# Altium PCB RF liner.PcbDoc
Units mil, origin at the board's own origin, x right, y up, seen from the top; angles counter-clockwise.
Board outline 2065 x 2000 mil, 4 copper layers (Top Layer, GND, PWR, Bottom Layer), stack 59.374 mil thick; 27 components, 25 nets, 152 pads, 729 vias.
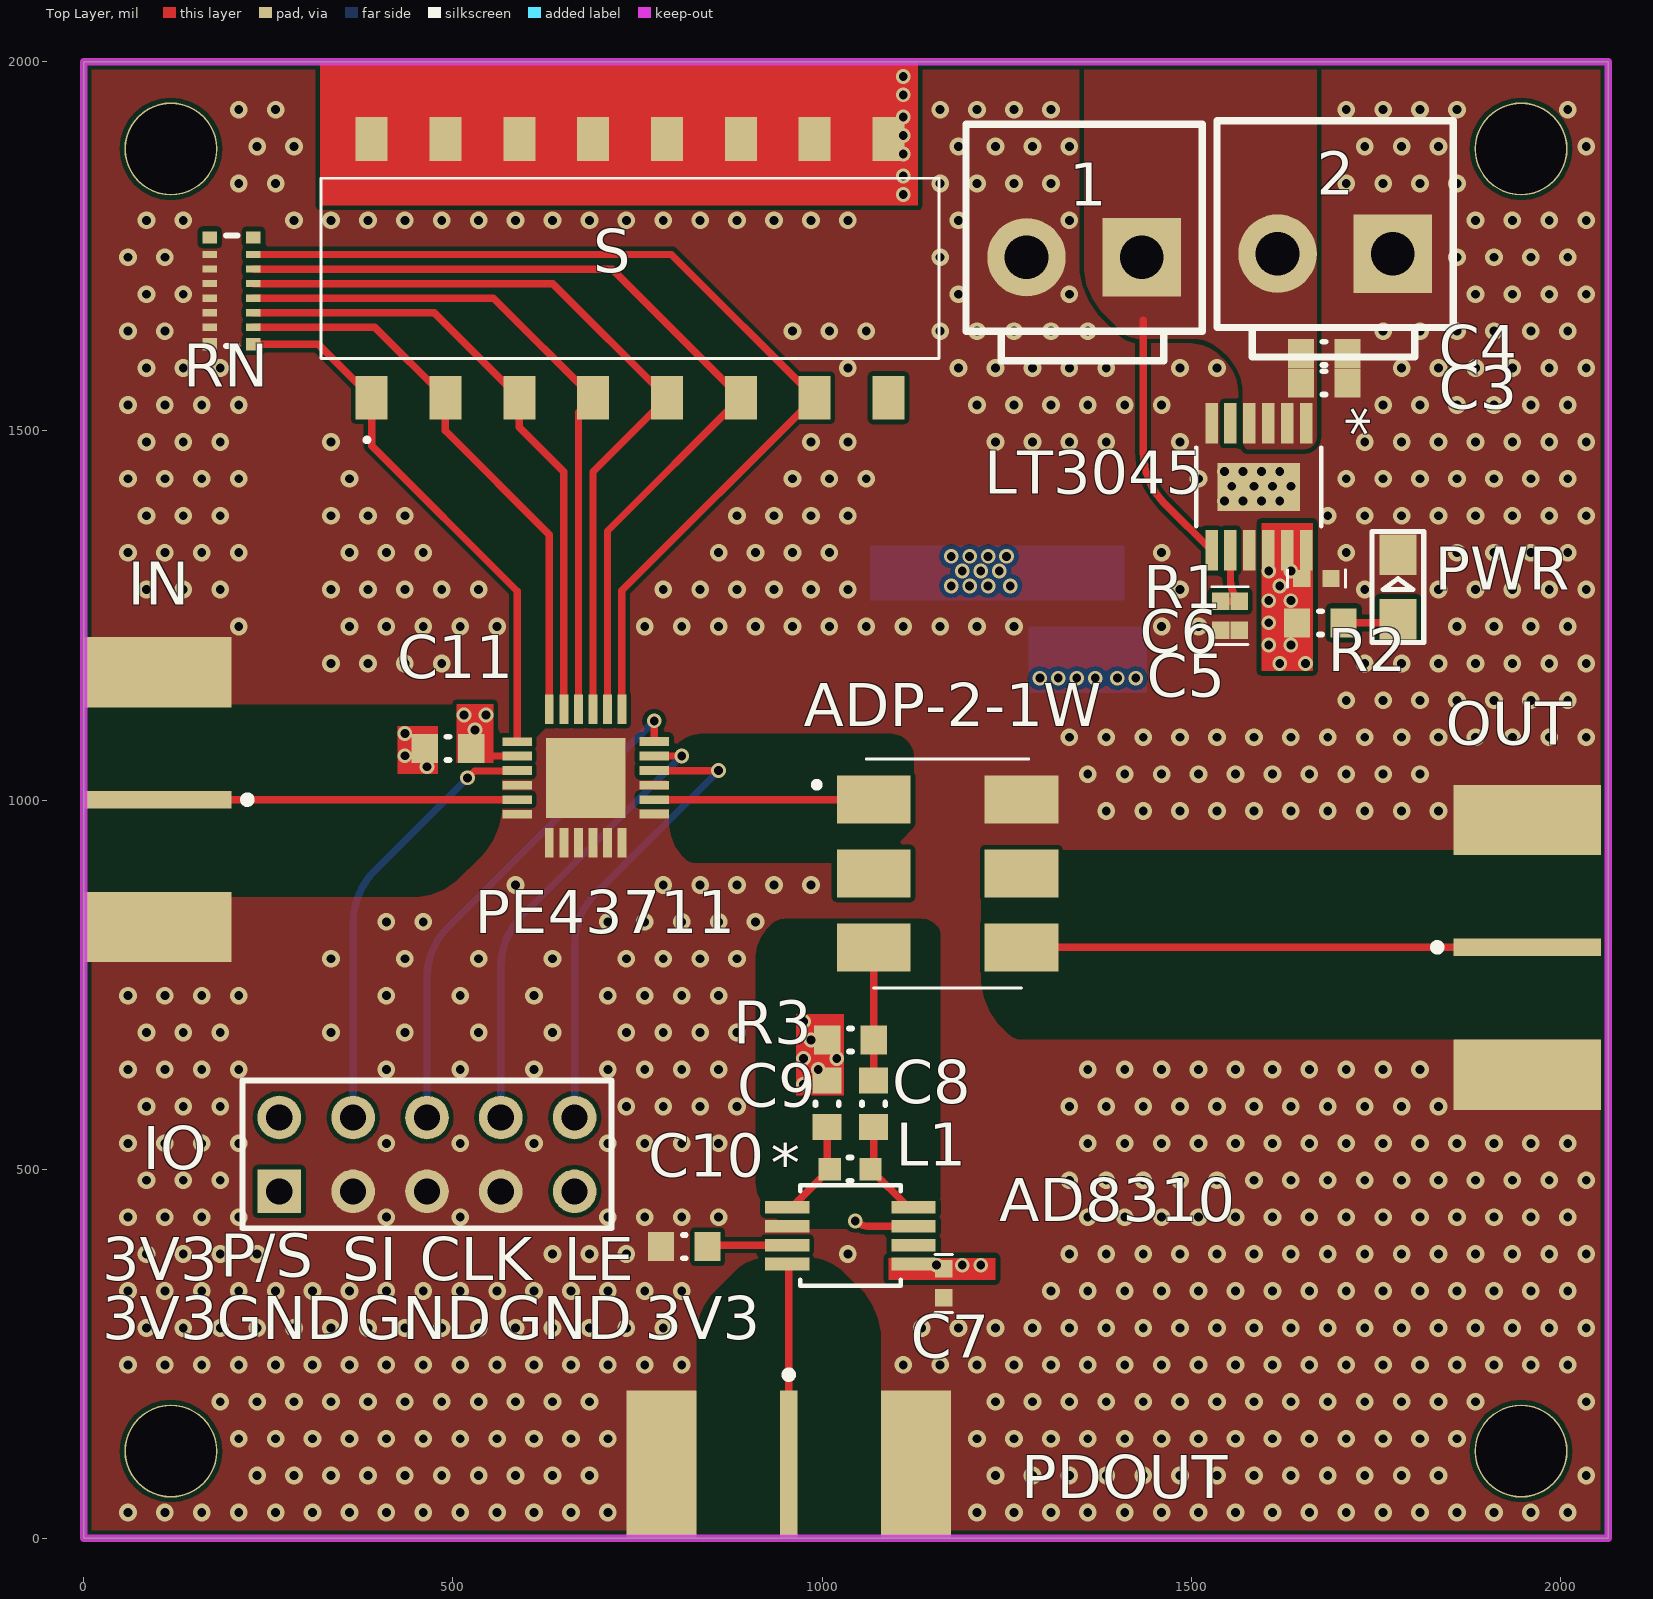
[diagram p0: Top Layer view]
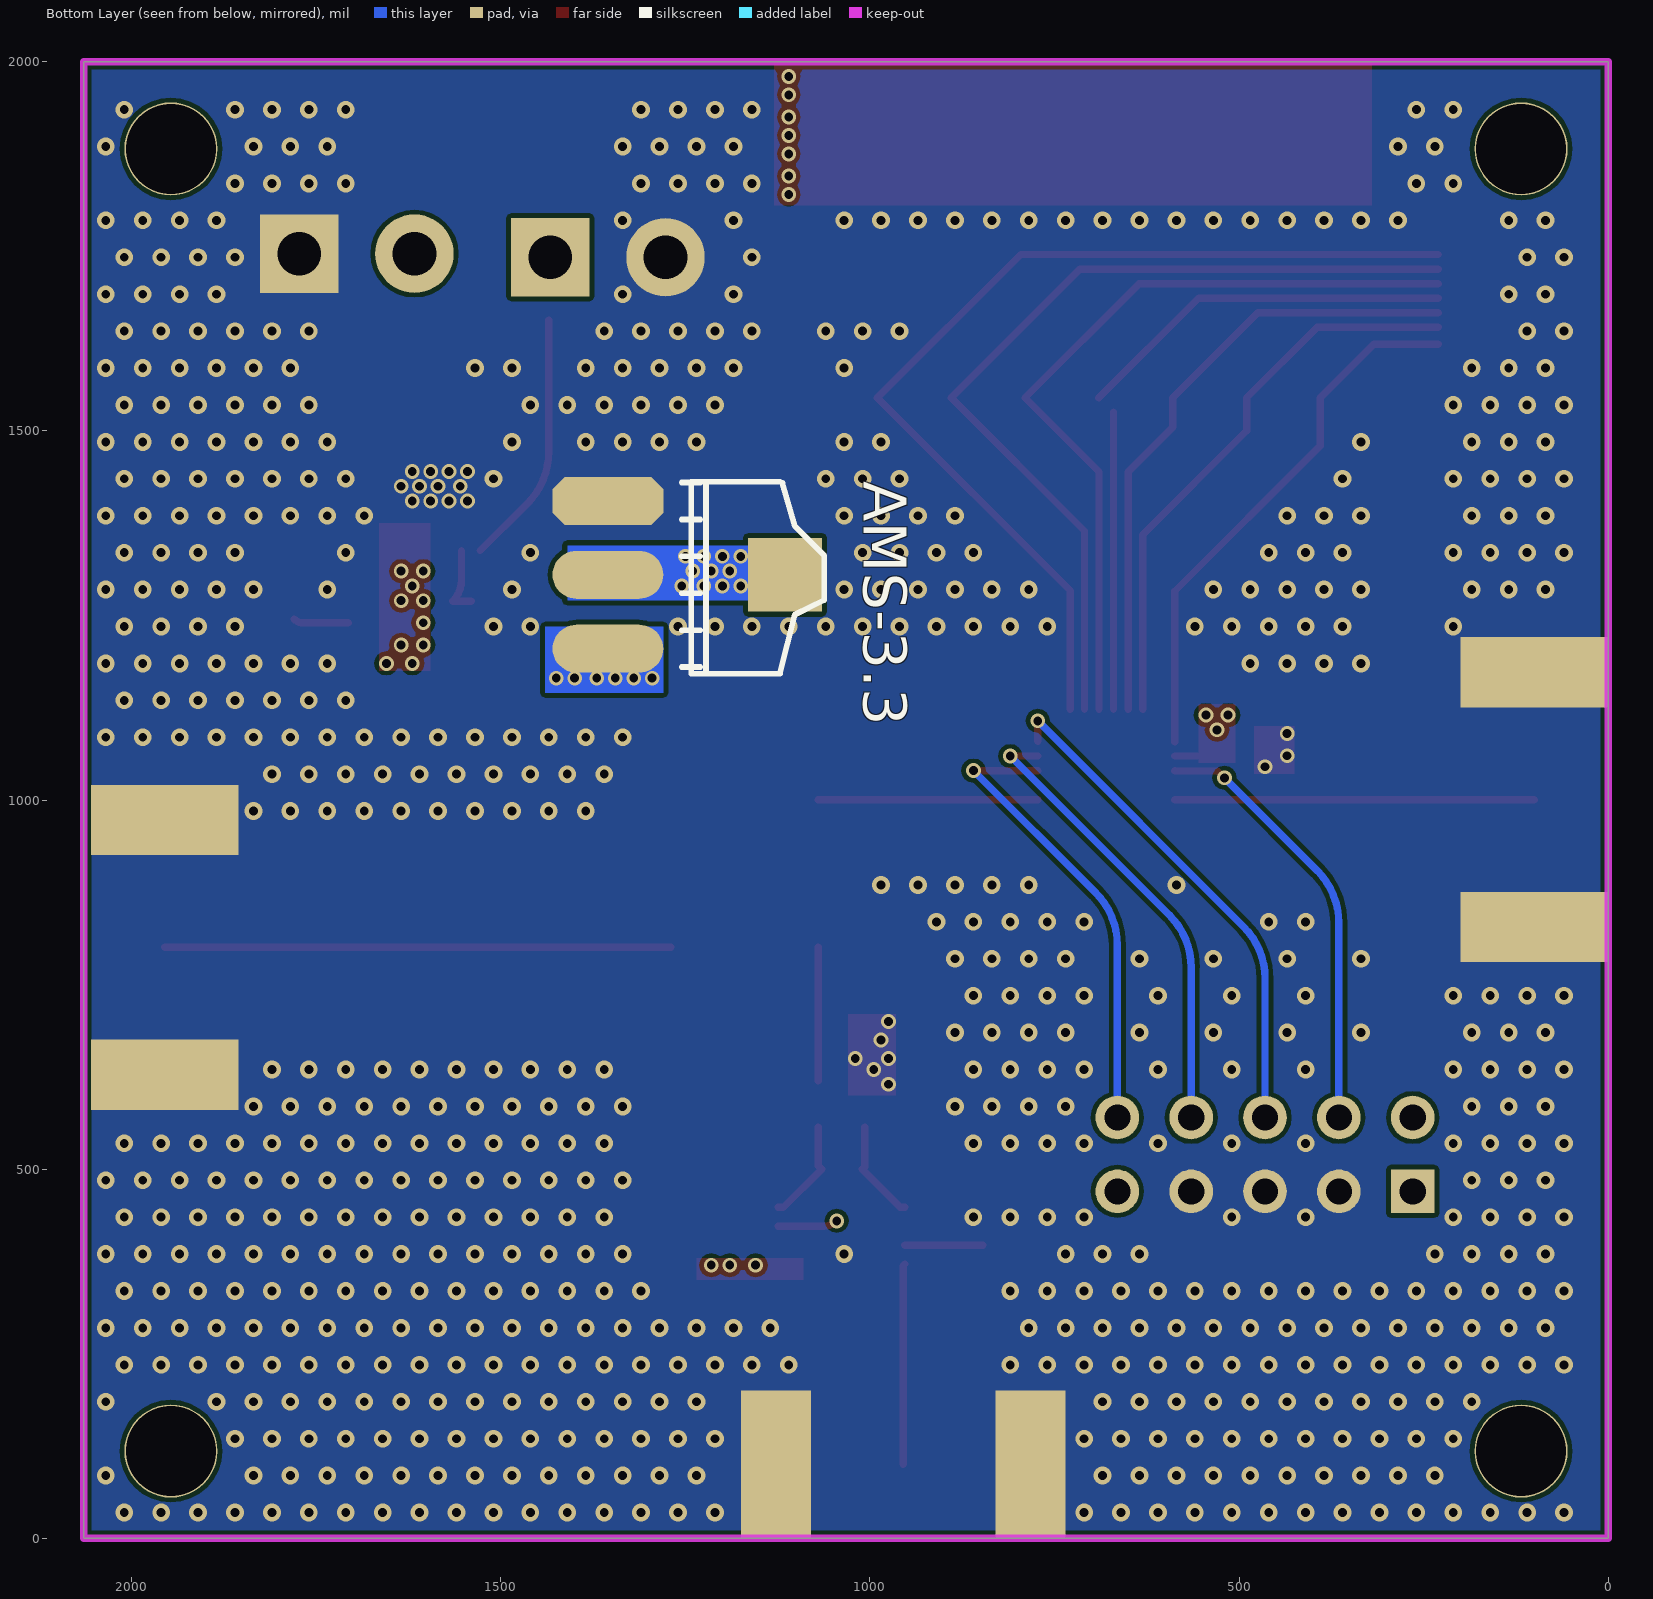
[diagram p1: Bottom Layer view, seen from below]
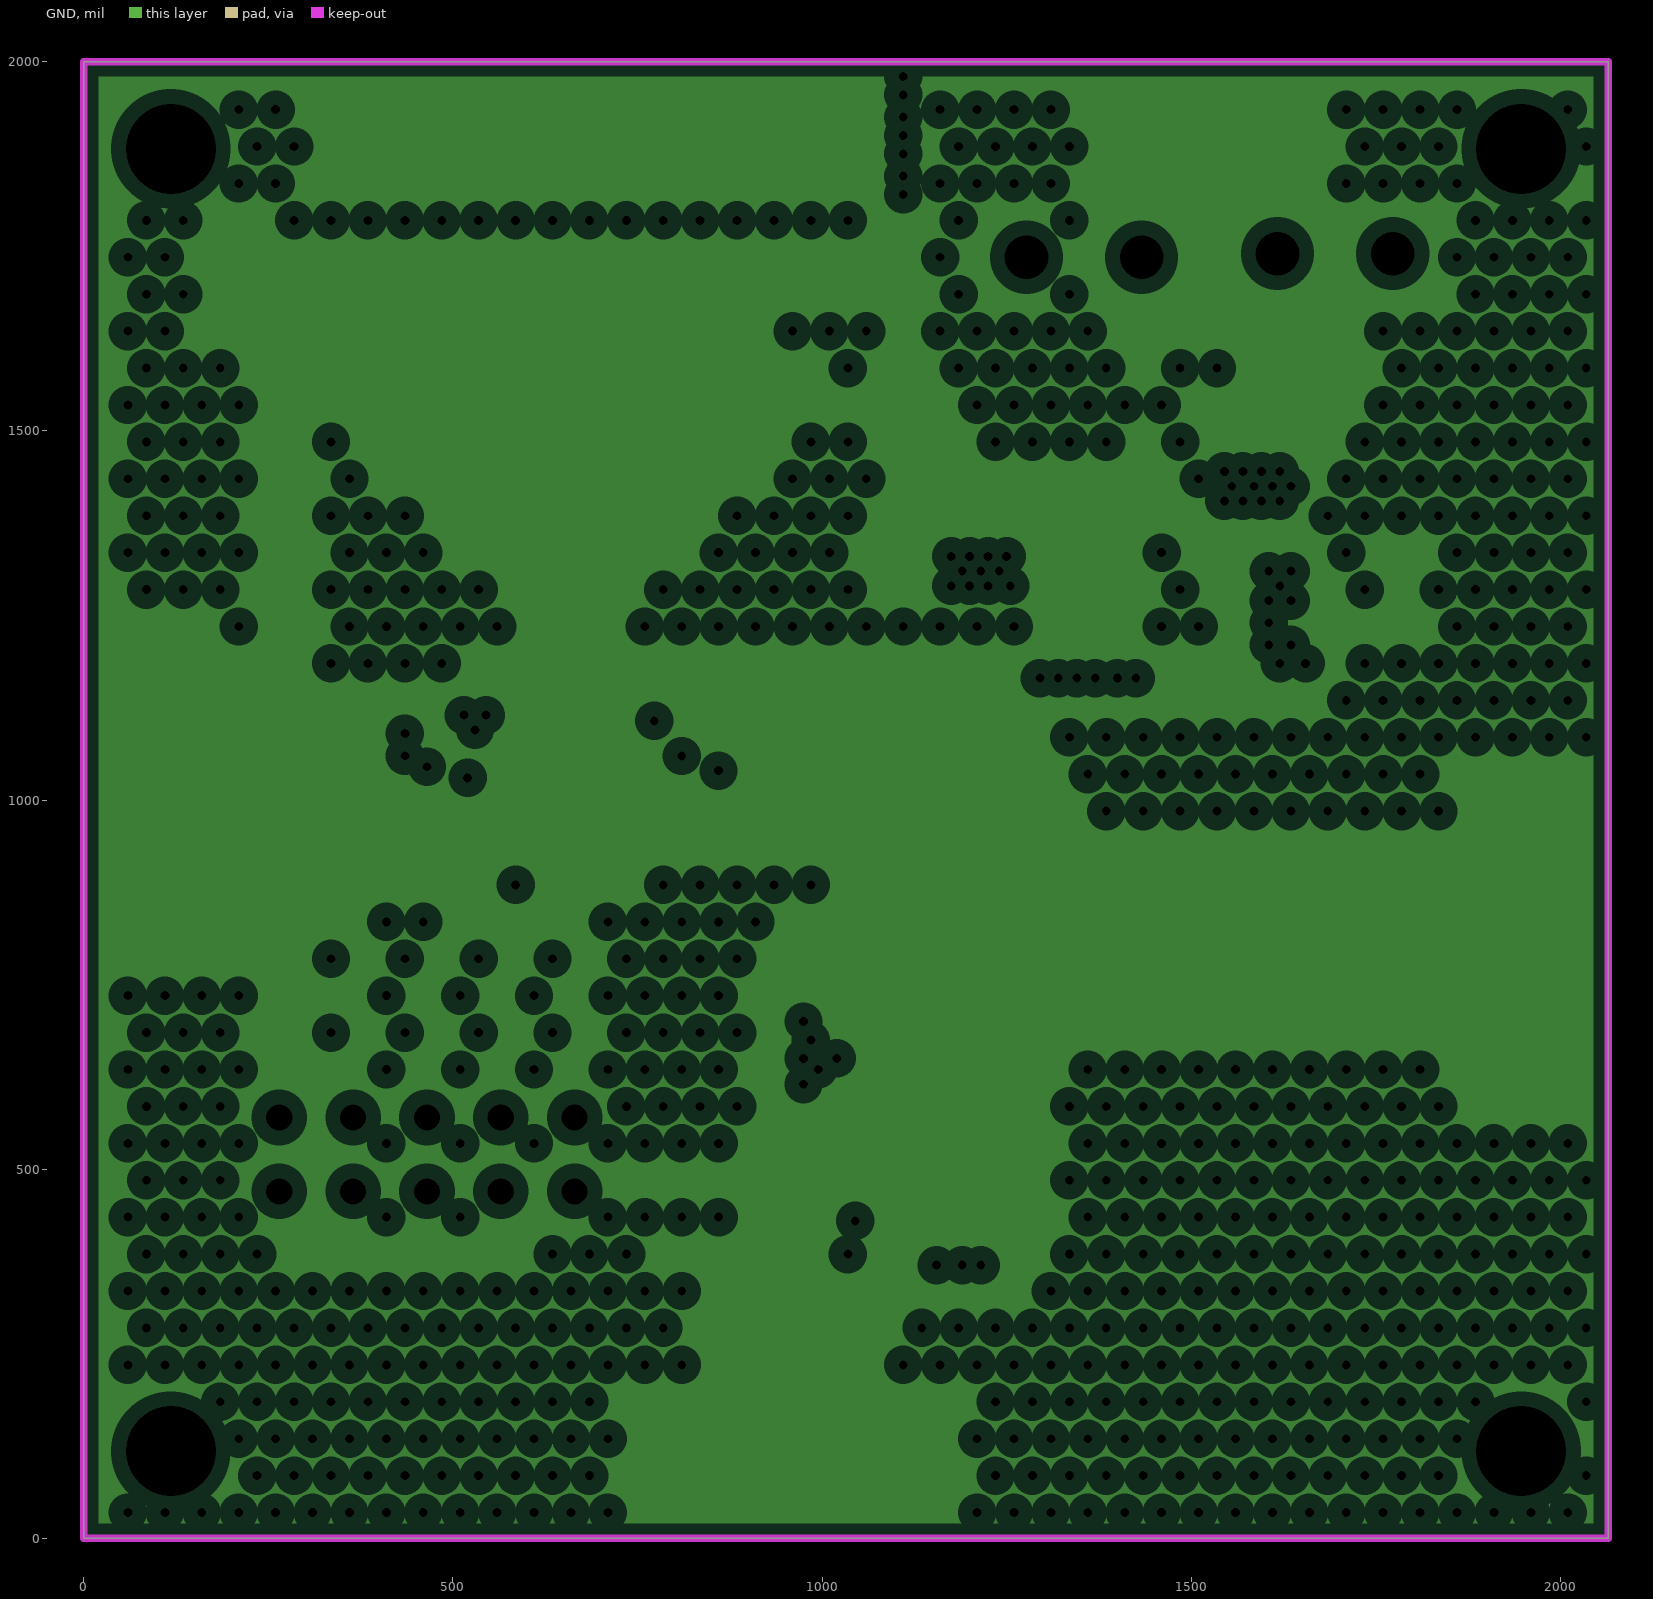
[diagram p2: GND, clearances drawn from the general rule]
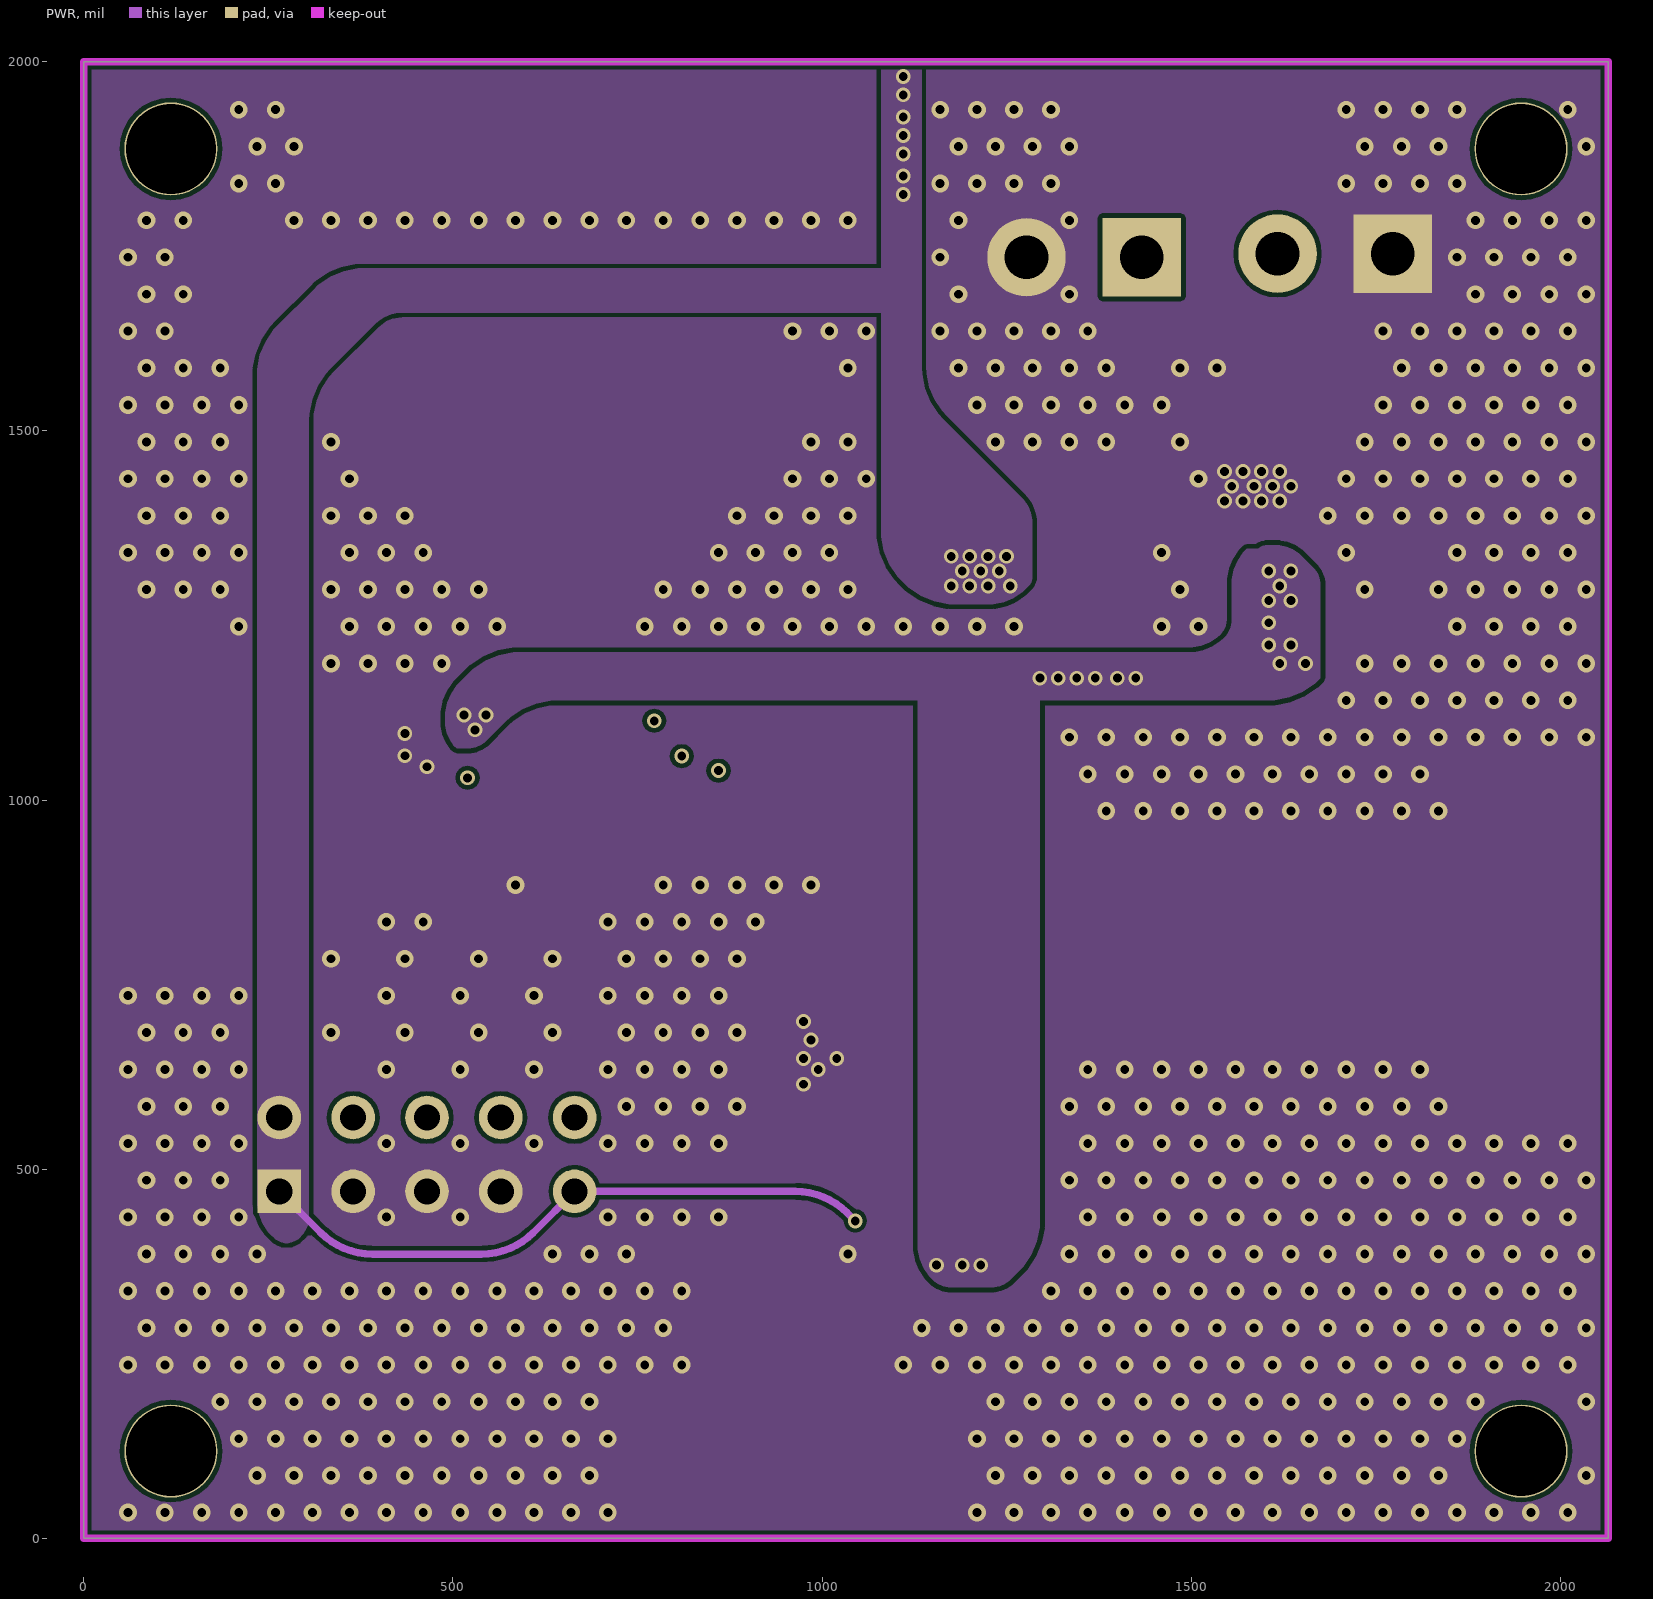
[diagram p3: PWR]

## Layer stack, top to bottom
Top Solder: solder mask 0.4, Solder Resist, Dk 3.5
Top Layer: signal copper 1.4
Dielectric 1: core 3.937, FR-4, Dk 4.2
GND: plane copper 1.4169
Dielectric 3: prepreg 41.9291, Dk 4.2
PWR: signal copper 1.4169
Dielectric 2: core 7.874, Dk 4.2
Bottom Layer: signal copper 1.4
Bottom Solder: solder mask 0.4, Solder Resist, Dk 3.5

## Board outline
0,0 0,2000 2065,2000 2065,0

## Design rules (kind name [scope] priority, off if disabled: settings)
Clearance [All] p1: gap=6 ignorepadtopadclearanceinfootprint=FALSE except(0: Arc-Hole Track-Hole SMDPad-Hole THPad-Hole Via-Hole Fill-Hole Poly-Hole Region-Hole Text-Hole)
PlaneClearance [All] p1: clearance=20
PlaneConnect [All] p1: planeconnectstyle=Direct reliefexpansion=20 reliefentries=4 reliefconductorwidth=10 reliefairgap=10
PolygonConnect [All] p1: connectstyle=Direct reliefconductorwidth=10 reliefentries=4 polygonreliefangle="90 Angle" airgapwidth=10
RoutingVias [All] p1: holewidth=28 width=50 viastyle="Through Hole" minholewidth=28 minwidth=50 maxholewidth=28 maxwidth=50
SolderMaskExpansion [All] p1: expansion=4
Width Width_1 [InNetClass('PWR')] p1: maxlimit=300 minlimit=10 preferedwidth=100
Width [All] p2: maxlimit=300 minlimit=10 preferedwidth=100
28 further rules are at their usual default settings.

## Classes and differential pairs
net class PWR: 3V3 5V VCC

## Components (designator, comment, footprint, x,y, rotation, side; value= is the part's Value field where it differs from the comment)
1 "3.96" 3.96 1355,1735 r180 top
2 "3.96" 3.96 1695,1740 r180 top
AD8310 "AD8310ARMZ" RM_8_ADI 1038.5,410 r0 top
ADP-2-1W "ADP-2-1+" ADP21 1170,900.47 r270 top
AMS-3.3 "AMS1117-3.3" AMS1117 1354.94,1405.03 r270 bottom
C3 "10uF" 0603C 1680,1565 r0 top
C4 "10uF" 0603C 1680,1605 r0 top
C5 "0.47uF" 0402 1565,1269.37 r270 top
C6 "10uF" 0402 1689.37,1300 r180 top
C7 "1uF" 0402 1165,365 r270 top
C8 "uf" 0603C 1070,588.5 r270 top
C9 "uf" 0603C 1007.01,588.5 r270 top
C10 "100pF" 0603C 813.5,395 r0 top
C11 "uf" 0603C 493.5,1070 r0 top
IN "SMA" SMA 196,995.47 r0 top
IO "Header 5X2" HDR2X5 265,470 r0 top
L1 "BEAD" 0603L 1038,500 r180 top value=100uH
LT3045 "LT3045EMSE" MSOP12-MSE-RevG_ADI 1591.61,1423.98 r270 top
OUT "SMA" SMA 1859,805.47 r180 top
PDOUT "SMA" SMA 960,196 r90 top
PE43711 "PE43711" PE43711 680,1030 r0 top
PWR "LED" SMDLED 1779.94,1244.97 r90 top
R1 "50K" 0402 1540,1230 r90 top
R2 "1.5K" 0603R 1675,1240 r180 top
R3 "50R" 0603R 1038.5,675 r0 top
RN "EXB-2HV101JV" EXB2HV101JV 200.47,1689.53 r90 top
S "DM-08-V-T_R" DM08VTR 740,1720 r0 top

## Footprints (in the part's own frame and the unit in brackets; to place one, negate y for a bottom-side part, rotate by r counter-clockwise, add the part's x,y. Pads: shape width x height; smd on the part's side, far side on the other; paste and mask are expansions set on the pad)
3.96 [mm] "接插件，25V/5A"
  rect 2.7x2.7 hole 1.5: 1(-1.98,0)
  round 2.7 hole 1.5: 2(1.982,0)
  silkscreen extent -4.06,-4.57 4.07,3.56, body extent -3.98,-4.4 4.03,4.16, height 10.5
0402 [mm]
  rect 0.6x0.6 smd: 1(0,0) 2(1,0)
  silkscreen extent -0.5,-0.3 1.5,0.3
0603C [mm] "Chip Capacitor, Body 1.6x0.8mm, Height 1.0mm, IPC Medium Density"
  rect 0.9x1 smd: 1(-0.8,0) 2(0.8,0)
  silkscreen extent -0.05,-0.4 0.05,0.4, body extent -0.87,-0.48 0.88,0.47, height 1
0603L [mil] "Bead 0603L"
  rect 30x30 smd: 1(27.5,0) 2(-27.5,0)
  silkscreen extent -2,-16 2,16, body extent -34,-19 34,19, height 24
0603R [mm] "Chip Resistor, Body 1.6x0.8mm, IPC Medium Density"
  rect 0.9x1 smd: 1(-0.8,0) 2(0.8,0)
  silkscreen extent -0.05,-0.4 0.05,0.4, body extent -0.85,-0.47 0.85,0.47, height 0.6
ADP21 [mm]
  rect 1.65x2.54 smd: 1(-2.54,-2.54) 2(0,-2.54) 3(2.54,-2.54) 4(2.54,2.54) 5(0,2.54) 6(-2.54,2.54)
  silkscreen extent -3.94,-4.55 3.94,2.8, body extent -3.94,-2.8 3.94,2.8, height 4.21
AMS1117 [mil]
  oct 65x150 smd: 1(0.03,-0.06)
  oval 65x150 smd: 2(100.03,-0.06) 3(200.03,-0.06)
  rect 100x100 smd: 4(100.03,239.94)
  silkscreen extent -26,100 234,293
DM08VTR [mm]
  rect 1.1x1.5 smd: 1(-8.89,-4.45) 2(-6.35,-4.45) 3(-3.81,-4.45) 4(-1.27,-4.45) 5(1.27,-4.45) 6(3.81,-4.45) 7(6.35,-4.45) 8(8.89,-4.45) 9(8.89,4.45) 10(6.35,4.45) 11(3.81,4.45) 12(1.27,4.45) 13(-1.27,4.45) 14(-3.81,4.45) 15(-6.35,4.45) 16(-8.89,4.45)
  silkscreen extent -10.63,-5.95 10.63,3.1
EXB2HV101JV [mm]
  rect 0.425x0.5 smd: 1(-1.838,-0.75) 8(1.838,-0.75) 9(1.838,0.75) 16(-1.838,0.75)
  rect 0.25x0.5 smd: 2(-1.25,-0.75) 3(-0.75,-0.75) 4(-0.25,-0.75) 5(0.25,-0.75) 6(0.75,-0.75) 7(1.25,-0.75) 10(1.25,0.75) 11(0.75,0.75) 12(0.25,0.75) 13(-0.25,0.75) 14(-0.75,0.75) 15(-1.25,0.75)
  silkscreen extent -1.9,-0.2 1.9,0.2, body extent -2.01,-0.97 2.01,0.97, height 0.65
HDR2X5 [mm] "Connector; Header; 5x2 Position"
  rect 1.5x1.5 hole 0.9: 1(0,0)
  round 1.5 hole 0.9: 2(0,2.54) 3(2.54,0) 4(2.54,2.54) 5(5.08,0) 6(5.08,2.54) 7(7.62,0) 8(7.62,2.54) 9(10.16,0) 10(10.16,2.54)
  silkscreen extent -1.27,-1.27 11.43,3.81
MSOP12-MSE-RevG_ADI [mm]
  rect 1.393x0.431 smd paste+0 mask+0: 1(-2.185,1.625) 2(-2.185,0.975) 3(-2.185,0.325) 4(-2.185,-0.325) 5(-2.185,-0.975) 6(-2.185,-1.625) 7(2.185,-1.625) 8(2.185,-0.975) 9(2.185,-0.325) 10(2.185,0.325) 11(2.185,0.975) 12(2.185,1.625)
  rect 1.651x2.845 smd paste-1.41 mask+0: EPAD(0,0)
  silkscreen extent -1.36,-2.15 1.36,2.15, body extent 0,0 0.25,0.25, height 0.25
PE43711 [mm] "5V"
  rect 1.016x0.3 smd: 1(-2.362,1.245) 2(-2.362,0.75) 3(-2.362,0.25) 4(-2.362,-0.25) 5(-2.362,-0.75) 6(-2.362,-1.25) 13(2.362,-1.245) 14(2.357,-0.75) 15(2.357,-0.25) 16(2.357,0.25) 17(2.357,0.75) 18(2.357,1.25)
  rect 0.3x1.016 smd: 7(-1.25,-2.235) 8(-0.75,-2.235) 9(-0.25,-2.235) 10(0.25,-2.235) 11(0.75,-2.235) 12(1.25,-2.235) 19(1.245,2.362) 20(0.75,2.362) 21(0.25,2.362) 22(-0.25,2.362) 23(-0.75,2.362) 24(-1.25,2.362)
  rect 2.75x2.75 smd: pad(0,0)
RM_8_ADI [mil]
  rect 60x17 smd paste+0 mask+0: 1(-85.5,38.39) 2(-85.5,12.8) 3(-85.5,-12.8) 4(-85.5,-38.39) 5(85.5,-38.39) 6(85.5,-12.8) 7(85.5,12.8) 8(85.5,38.39)
  silkscreen extent -68,-68 68,68
SMA [mil]
  rect 200x24 smd: 1(-96,5)
  rect 200x95 smd: 2(-96,-167.5) 2(-96,177.5)
  rect 200x95 smd far side: 2(-96,-167.5) 2(-96,177.5) 2(-96,177.5)
  silkscreen extent 21,0 31,10, body extent -571,-183 -9,192, height 171
SMDLED [mm]
  rect 1.4x1.27 smd: 1(0.001,-0.002) 2(2.211,-0.002)
  silkscreen extent -0.8,-0.89 3.01,0.89

## Part data
AD8310 LT3045: "No Description Available", Copyright="Copyright (C) 2018 Accelerated Designs. All rights reserved", RefDes=RefDes, Type=DEV, Vendor="Analog Devices Inc"
  AD8310: Built_By=EMA_UL_Team, Manufacturer_Part_Number=AD8310ARMZ, SourceLibrary=Analog_2012-01-01_5
  LT3045: Built_By=SunStream, Manufacturer_Part_Number=LT3045EMSE, SourceLibrary=Analog_Devices_Inc_2020-09-15
ADP-2-1W: "Integrated Circuit", Manufacturer_Name=Mini-Circuits, Mouser Part Number=139-ADP-2-1, Datasheet Link=https://componentsearchengine.com/Datasheets/1/ADP-2-1+.pdf, Height=4.11mm, Manufacturer_Part_Number=ADP-2-1+, Mouser Price/Stock=https://www.mouser.co.uk/ProductDetail/Mini-Circuits/ADP-2-1%2b?qs=xZ%2FP%252Ba9zWqY2KuyLpf%2FxaQ%3D%3D
AMS-3.3: library part AMS1117
C3 C4 C5 C6 C7 C8 C9 C10 C11: library part C, "Capacitor"
IN OUT PDOUT: "SMA Connector"
IO: "Header, 5-Pin, Dual row", LatestRevisionDate=17-Jul-2002, LatestRevisionNote="Re-released for DXP Platform.", Publisher="Altium Limited"
L1: library part Inductor, "Inductor", Published=8-Jun-2000, Publisher="Altium Limited", Revision="July-2002: Re-released for DXP Platform."
PWR: "Typical RED, GREEN, YELLOW, AMBER GaAs LED", PackageDocument=Feb-2002, LatestRevisionDate=17-Jul-2002, LatestRevisionNote="Re-released for DXP Platform.", PackageReference=3.2X1.6X1.1, Published=8-Jun-2000, Publisher="Altium Limited"
R1 R2 R3: library part Resistor, "Resistor"
RN: "Resistor Network", Manufacturer_Name=Panasonic, Mouser Part Number=667-EXB-2HV101JV, Arrow Part Number=EXB-2HV101JV, Arrow Price/Stock=https://www.arrow.com/en/products/exb-2hv101jv/panasonic, Datasheet Link=https://industrial.panasonic.com/cdbs/www-data/pdf/AOC0000/AOC0000C14.pdf, Height=0.55mm, Manufacturer_Part_Number=EXB-2HV101JV, Mouser Price/Stock=https://www.mouser.co.uk/ProductDetail/Panasonic/EXB-2HV101JV?qs=oE3VwAv%2FYtkI4Sp%252Bk267NQ%3D%3D
S: "Switch", Manufacturer_Name=Diptronics, Manufacturer_Part_Number=DM-08-V-T/R, Datasheet Link=http://www.dip.com.tw/en/en-product-information/en-switch002/item/download/2412_2ffa0571076f7652f42c65d9d72a148c, Height=3.15mm

## Free pads (board coordinates)
  round 125.98 hole 122.05: 3(118.11,118.11) 3(118.11,1881.89) 3(1946.89,118.11) 3(1946.89,1881.89)

## Via types
v1: diameter 24, hole 12, Top Layer to Bottom Layer, tented both sides, 663 vias
v2: diameter 20, hole 12, Top Layer to Bottom Layer, tented both sides, 66 vias

## Nets (pads, with @x,y where several pads share a name; then routed paths per layer and width w, separated by ;. In a path a pad name is that pad's centre, name@x,y a point inside that pad or via, vN(x,y) a via of type N, cw(c..) or ccw(c..) an arc to the next point about the centre after c; other vN are vias at no path point)
3V3: AD8310.7 AMS-3.3.2 AMS-3.3.4 IO.1 IO.2 IO.9 S.9 S.10 S.11 S.12 S.13 S.14 S.15 S.16 | length 935
  Top Layer w10: v2(1045,430) ccw(c1062.39,447.39) 1062.39,422.8 AD8310.7
  PWR w10: IO.1 320.71,414.29 ccw(c391.42,485) 391.42,385 538.58,385 ccw(c538.58,485) 609.29,414.29 IO.9 963.58,470 cw(c963.58,370) 1034.29,440.71 v2(1045,430)
  other v2: 1175,1290 1200,1290 1225,1290 1255,1290 1190,1310 1215,1310 1240,1310 1175,1330 1200,1330 1225,1330 1250,1330 1110,1820 1110,1845 1110,1875 1110,1900 1110,1925 1110,1955 1110,1980
5V: AD8310.5 AMS-3.3.3 C6.2 C7.1 C11.2 LT3045.10 LT3045.11 LT3045.12 PE43711.2 R2.2 | length 51.5
  Top Layer w10: C11.2@535.47,1059.53 PE43711.2
  other v2: 1155,370 1190,370 1215,370 530,1095 515,1115 545,1115 1295,1165 1320,1165 1345,1165 1370,1165 1400,1165 1425,1165 1620,1185 1655,1185 1605,1210 1635,1210 1605,1240 1605,1270 1635,1270 1620,1290 1605,1310 1635,1310
C0.5-1: PE43711.24 RN.2 S.2 | length 779.7
  Top Layer w10: RN.2 394.5,1640.31 S.2 490,1500 630.79,1359.21 PE43711.24
C0.25-1: PE43711.1 RN.1 S.1 | length 737.4
  Top Layer w10: RN.1 317.64,1617.17 S.1 390,1480 587,1283 PE43711.1
C1-1: PE43711.23 RN.3 S.3 | length 854.6
  Top Layer w10: RN.3 474.8,1660 S.3 590,1505 650.47,1444.53 PE43711.23
C2-1: PE43711.22 RN.4 S.4 | length 917.8
  Top Layer w10: RN.4 555.12,1679.69 S.4 ; PE43711.22 S.4@670.16,1524.96
C4-1: PE43711.21 RN.5 S.5 | length 1087.3
  Top Layer w10: RN.5 635.43,1699.37 S.5 689.84,1444.65 PE43711.21
C8-1: PE43711.20 RN.6 S.6 | length 1228.7
  Top Layer w10: RN.6 715.75,1719.06 S.6 709.53,1364.33 PE43711.20
C16-1: PE43711.19 RN.7 S.7 | length 1370.2
  Top Layer w10: RN.7 796.06,1738.74 S.7 729,1283.8 PE43711.19
CLK-1: IO.8 PE43711.17 | length 628.4
  Top Layer w10: PE43711.17 v2(810,1059.53) v2@814.53,1059.53
  Bottom Layer w10: IO.8 565,773.11 cw(c665,773.11) 594.29,843.82 v2(810,1059.53)
GND: 1.2 2.1 AD8310.2 ADP-2-1W.6 AMS-3.3.1 C3.2 C4.2 C5.2 C6.1 C7.2 C9.1 C10.1 C11.1 IN.2 IO.3 IO.5 IO.7 LT3045.6 LT3045.9 LT3045.EPAD OUT.2 PDOUT.2 PE43711.4 PE43711.6 PE43711.7 PE43711.8 PE43711.9 PE43711.10 PE43711.11 PE43711.12 PE43711.13 PE43711.15 PE43711.pad PWR.2 R1.1 R3.1 RN.10 RN.11 RN.12 RN.13 RN.14 RN.15 RN.16
  other v1: 60,35 110,35 160,35 210,35 260,35 310,35 360,35 410,35 460,35 510,35 560,35 610,35 660,35 710,35 1210,35 1260,35 1310,35 1360,35 1410,35 1460,35 1510,35 1560,35 1610,35 1660,35 1710,35 1760,35 1810,35 1860,35 1910,35 1960,35 2010,35 235,85 285,85 335,85 385,85 435,85 485,85 535,85 585,85 635,85 685,85 1235,85 1285,85 1335,85 1385,85 1435,85 1485,85 1535,85 1585,85 1635,85 1685,85 1735,85 1785,85 1835,85 2035,85 210,135 260,135 310,135 360,135 410,135 460,135 510,135 560,135 610,135 660,135 710,135 1210,135 1260,135 1310,135 1360,135 1410,135 1460,135 1510,135 1560,135 1610,135 1660,135 1710,135 1760,135 1810,135 1860,135 185,185 235,185 285,185 335,185 385,185 435,185 485,185 535,185 585,185 635,185 685,185 1235,185 1285,185 1335,185 1385,185 1435,185 1485,185 1535,185 1585,185 1635,185 1685,185 1735,185 1785,185 1835,185 1885,185 2035,185 60,235 110,235 160,235 210,235 260,235 310,235 360,235 410,235 460,235 510,235 560,235 610,235 660,235 710,235 760,235 810,235 1110,235 1160,235 1210,235 1260,235 1310,235 1360,235 1410,235 1460,235 1510,235 1560,235 1610,235 1660,235 1710,235 1760,235 1810,235 1860,235 1910,235 1960,235 2010,235 85,285 135,285 185,285 235,285 285,285 335,285 385,285 435,285 485,285 535,285 585,285 635,285 685,285 735,285 785,285 1135,285 1185,285 1235,285 1285,285 1335,285 1385,285 1435,285 1485,285 1535,285 1585,285 1635,285 1685,285 1735,285 1785,285 1835,285 1885,285 1935,285 1985,285 2035,285 60,335 110,335 160,335 210,335 260,335 310,335 360,335 410,335 460,335 510,335 560,335 610,335 660,335 710,335 760,335 810,335 1310,335 1360,335 1410,335 1460,335 1510,335 1560,335 1610,335 1660,335 1710,335 1760,335 1810,335 1860,335 1910,335 1960,335 2010,335 85,385 135,385 185,385 235,385 635,385 685,385 735,385 1035,385 1335,385 1385,385 1435,385 1485,385 1535,385 1585,385 1635,385 1685,385 1735,385 1785,385 1835,385 1885,385 1935,385 1985,385 2035,385 60,435 110,435 160,435 210,435 410,435 510,435 710,435 760,435 810,435 860,435 1360,435 1410,435 1460,435 1510,435 1560,435 1610,435 1660,435 1710,435 1760,435 1810,435 1860,435 1910,435 1960,435 2010,435 85,485 135,485 185,485 1335,485 1385,485 1435,485 1485,485 1535,485 1585,485 1635,485 1685,485 1735,485 1785,485 1835,485 1885,485 1935,485 1985,485 2035,485 60,535 110,535 160,535 210,535 410,535 510,535 610,535 710,535 760,535 810,535 860,535 1360,535 1410,535 1460,535 1510,535 1560,535 1610,535 1660,535 1710,535 1760,535 1810,535 1860,535 1910,535 1960,535 2010,535 85,585 135,585 185,585 735,585 785,585 835,585 885,585 1335,585 1385,585 1435,585 1485,585 1535,585 1585,585 1635,585 1685,585 1735,585 1785,585 1835,585 60,635 110,635 160,635 210,635 410,635 510,635 610,635 710,635 760,635 810,635 860,635 1360,635 1410,635 1460,635 1510,635 1560,635 1610,635 1660,635 1710,635 1760,635 1810,635 85,685 135,685 185,685 335,685 435,685 535,685 635,685 735,685 785,685 835,685 885,685 60,735 110,735 160,735 210,735 410,735 510,735 610,735 710,735 760,735 810,735 860,735 335,785 435,785 535,785 635,785 735,785 785,785 835,785 885,785 410,835 460,835 710,835 760,835 810,835 860,835 910,835 585,885 785,885 835,885 885,885 935,885 985,885 1385,985 1435,985 1485,985 1535,985 1585,985 1635,985 1685,985 1735,985 1785,985 1835,985 1360,1035 1410,1035 1460,1035 1510,1035 1560,1035 1610,1035 1660,1035 1710,1035 1760,1035 1810,1035 1335,1085 1385,1085 1435,1085 1485,1085 1535,1085 1585,1085 1635,1085 1685,1085 1735,1085 1785,1085 1835,1085 1885,1085 1935,1085 1985,1085 2035,1085 1710,1135 1760,1135 1810,1135 1860,1135 1910,1135 1960,1135 2010,1135 335,1185 385,1185 435,1185 485,1185 1735,1185 1785,1185 1835,1185 1885,1185 1935,1185 1985,1185 2035,1185 210,1235 360,1235 410,1235 460,1235 510,1235 560,1235 760,1235 810,1235 860,1235 910,1235 960,1235 1010,1235 1060,1235 1110,1235 1160,1235 1210,1235 1260,1235 1460,1235 1510,1235 1860,1235 1910,1235 1960,1235 2010,1235 85,1285 135,1285 185,1285 335,1285 385,1285 435,1285 485,1285 535,1285 785,1285 835,1285 885,1285 935,1285 985,1285 1035,1285 1485,1285 1735,1285 1835,1285 1885,1285 1935,1285 1985,1285 2035,1285 60,1335 110,1335 160,1335 210,1335 360,1335 410,1335 460,1335 860,1335 910,1335 960,1335 1010,1335 1460,1335 1710,1335 1860,1335 1910,1335 1960,1335 2010,1335 85,1385 135,1385 185,1385 335,1385 385,1385 435,1385 885,1385 935,1385 985,1385 1035,1385 1685,1385 1735,1385 1785,1385 1835,1385 1885,1385 1935,1385 1985,1385 2035,1385 60,1435 110,1435 160,1435 210,1435 360,1435 960,1435 1010,1435 1060,1435 1510,1435 1710,1435 1760,1435 1810,1435 1860,1435 1910,1435 1960,1435 2010,1435 85,1485 135,1485 185,1485 335,1485 985,1485 1035,1485 1235,1485 1285,1485 1335,1485 1385,1485 1485,1485 1735,1485 1785,1485 1835,1485 1885,1485 1935,1485 1985,1485 2035,1485 60,1535 110,1535 160,1535 210,1535 1210,1535 1260,1535 1310,1535 1360,1535 1410,1535 1460,1535 1760,1535 1810,1535 1860,1535 1910,1535 1960,1535 2010,1535 85,1585 135,1585 185,1585 1035,1585 1185,1585 1235,1585 1285,1585 1335,1585 1385,1585 1485,1585 1535,1585 1785,1585 1835,1585 1885,1585 1935,1585 1985,1585 2035,1585 60,1635 110,1635 960,1635 1010,1635 1060,1635 1160,1635 1210,1635 1260,1635 1310,1635 1360,1635 1760,1635 1810,1635 1860,1635 1910,1635 1960,1635 2010,1635 85,1685 135,1685 1185,1685 1335,1685 1885,1685 1935,1685 1985,1685 2035,1685 60,1735 110,1735 1160,1735 1860,1735 1910,1735 1960,1735 2010,1735 85,1785 135,1785 285,1785 335,1785 385,1785 435,1785 485,1785 535,1785 585,1785 635,1785 685,1785 735,1785 785,1785 835,1785 885,1785 935,1785 985,1785 1035,1785 1185,1785 1335,1785 1885,1785 1935,1785 1985,1785 2035,1785 210,1835 260,1835 1160,1835 1210,1835 1260,1835 1310,1835 1710,1835 1760,1835 1810,1835 1860,1835 235,1885 285,1885 1185,1885 1235,1885 1285,1885 1335,1885 1735,1885 1785,1885 1835,1885 2035,1885 210,1935 260,1935 1160,1935 1210,1935 1260,1935 1310,1935 1710,1935 1760,1935 1810,1935 1860,1935 2010,1935
  other v2: 975,615 995,635 975,650 1020,650 985,675 975,700 465,1045 435,1060 435,1090 1545,1405 1570,1405 1595,1405 1620,1405 1555,1425 1585,1425 1610,1425 1635,1425 1545,1445 1570,1445 1595,1445 1620,1445
LE-1: IO.10 PE43711.16 | length 633.3
  Top Layer w10: PE43711.16 v2(859.84,1039.84)
  Bottom Layer w10: IO.10 665,803.58 cw(c765,803.58) 694.29,874.29 v2(859.84,1039.84)
NetAD8310_1: AD8310.1 C9.2 L1.1 | length 137.3
  Top Layer w10: AD8310.1 958.89,448.39 L1.1 1007.01,503.5 C9.2
NetAD8310_3: AD8310.3 C10.2 | length 105.8
  Top Layer w10: C10.2@847.2,397.2 AD8310.3
NetAD8310_4: AD8310.4 PDOUT.1 | length 272.4
  Top Layer w10: AD8310.4 955,369.62 PDOUT.1
NetAD8310_8: AD8310.8 C8.2 L1.2 | length 138.7
  Top Layer w10: C8.2 1070,504.5 L1.2 1117.12,448.39 AD8310.8
NetADP-2-1W_4: ADP-2-1W.4 OUT.1 | length 685
  Top Layer w10: ADP-2-1W.4 OUT.1
NetC5_1: C5.1 LT3045.8 R1.2 | length 96.7
  Top Layer w10: R1.2 C5.1 cw(c1593.42,1297.79) 1553.23,1297.79 LT3045.8
NetIN_1: IN.1 PE43711.5 | length 487
  Top Layer w10: IN.1 PE43711.5
NetPWR_1: PWR.1 R2.1 | length 74.8
  Top Layer w10: R2.1 1767.93,1240 ccw(c1767.93,1257.07) PWR.1
OUT1: ADP-2-1W.1 PE43711.14 | length 297.2
  Top Layer w10: PE43711.14 ADP-2-1W.1
OUT2: ADP-2-1W.3 C8.1 R3.2 | length 180.5
  Top Layer w10: C8.1 R3.2 ADP-2-1W.3
P/S-1: IO.4 PE43711.3 | length 591.3
  Top Layer w10: v2(520,1030) 529.31,1039.31 587,1039.31 PE43711.3
  Bottom Layer w10: IO.4 365,833.58 cw(c465,833.58) 394.29,904.29 v2(520,1030)
SI-1: IO.6 PE43711.18 | length 688.4
  Top Layer w10: PE43711.18 v2(772.8,1107.2)
  Bottom Layer w10: IO.6 465,757.97 cw(c565,757.97) 494.29,828.68 v2(772.8,1107.2)
VCC: 1.1 2.2 C3.1 C4.1 LT3045.1 LT3045.2 LT3045.3 LT3045.4 LT3045.7 | length 346.1
  Top Layer w10: 1435,1650 1435,1472.01 ccw(c1535,1472.01) 1464.29,1401.3 LT3045.7
pads on no net: AD8310.6 ADP-2-1W.2 ADP-2-1W.5 LT3045.5 RN.8 RN.9 S.8

## Polygon pours and split planes (outlines as drawn)
GND on Top Layer "Top Layer-No Net" (solid, remove dead copper, pour order 10): 0,2000 2065,2000 2065,0 0,0
VCC on Top Layer "Top Layer-No Net" (solid, remove dead copper, pour order 0): 1355,2000 1355,1726.42 ccw(c1455,1726.42) 1384.29,1655.71 1405,1635 ccw(c1429.14,1659.14) 1429.14,1625 1500,1625 cw(c1500,1564.64) 1542.68,1607.32 1550,1600 cw(c1501.72,1551.72) 1570,1551.72 1570,1487.07 ccw(c1587.07,1487.07) 1575,1475 1652.93,1475 ccw(c1652.93,1492.07) 1665,1480 ccw(c1652.93,1492.07) 1670,1492.07 1670,2000
GND on PWR "Top Layer-No Net" (solid, remove dead copper, pour order 12): 0,1995 2065,1995 2065,-5 0,-5
5V on PWR "Top Layer-No Net" (solid, remove dead copper, pour order 8): 1130,1175 1130,398.28 ccw(c1198.28,398.28) 1150,350 ccw(c1174.14,374.14) 1174.14,340 1230,340 ccw(c1230,376.21) 1255.61,350.61 1265.71,360.71 ccw(c1195,431.42) 1295,431.42 1295,1145
5V on PWR "Top Layer-No Net" (solid, remove dead copper, pour order 6): 1615,1345 cw(c1615,1296.72) 1649.14,1330.86 1665,1315 cw(c1640.86,1290.86) 1675,1290.86 1675,1165 1674.29,1164.29 cw(c1603.58,1235) 1603.58,1135 641.42,1135 ccw(c641.42,1035) 570.71,1105.71 545,1080 cw(c520.86,1104.14) 520.86,1070 505,1070 cw(c541.21,1106.21) 490,1106.21 490,1111.72 cw(c558.28,1111.72) 510,1160 520.71,1170.71 cw(c591.42,1100) 591.42,1200 1496.72,1200 ccw(c1496.72,1268.28) 1545,1220 ccw(c1520.86,1244.14) 1555,1244.14 1555,1291.72 cw(c1623.28,1291.72) 1575,1340 1590,1340 cw(c1602.07,1327.93) 1602.07,1345
3V3 on PWR "Top Layer-No Net" (solid, remove dead copper, pour order 4): 1090,1720 381.42,1720 ccw(c381.42,1620) 310.71,1690.71 264.29,1644.29 ccw(c335,1573.58) 235,1573.58 235,458.28 ccw(c303.28,458.28) 255,410 257.93,407.07 ccw(c275,424.14) 275,400 ccw(c275,424.14) 292.07,407.07 295,410 ccw(c270.86,434.14) 305,434.14 305,1513.58 cw(c405,1513.58) 334.29,1584.29 395,1645 cw(c431.21,1608.79) 431.21,1660 1105,1660
3V3 on PWR "Top Layer-No Net" (solid, remove dead copper, pour order 2): 1080,2000 1080,1366.42 ccw(c1180,1366.42) 1109.29,1295.71 1110.71,1294.29 ccw(c1181.42,1365) 1181.42,1265 1225,1265 ccw(c1225,1337.43) 1276.21,1286.21 1280,1290 ccw(c1267.93,1302.07) 1285,1302.07 1285,1373.79 ccw(c1233.79,1373.79) 1270,1410 1164.29,1515.71 cw(c1235,1586.42) 1135,1586.42 1135,2000
GND on Bottom Layer "Top Layer-No Net" (solid, remove dead copper, pour order 14): 0,1995 2065,1995 2065,-5 0,-5
no net on GND (split plane): 2044.9,20.1 20.1,20.1 20.1,1979.9 2044.9,1979.9

## Keep-outs
Keep-Out Layer:
  lines w10: 30,0 0,0 ; 0,0 0,2000 2065,2000 2065,0 0,0

## Other copper
Top Layer:
  rectangle net GND: 425,1035 480,1100
  rectangle net GND: 965,600 1030,710
  rectangle net 5V: 1090,350 1235,380
  rectangle net 5V: 505,1050 555,1130
  rectangle net 3V3: 320,1805 1130,2000
  rectangle net 5V: 1595,1175 1665,1375
  pour cut-out: 624.88,1096.51 619.33,1096.51 ccw(c619.33,1079.07) 607,1091.4 613.49,1084.91 613.49,1085.12
  pour cut-out: 830,10 830,274.64 cw(c915.36,274.64) 855,335 882.32,362.32 cw(c925,319.64) 925,380 981.72,380 cw(c981.72,311.72) 1030,360 1050.71,339.29 cw(c980,268.58) 1080,268.58 1080,10
  pour cut-out: 1132.19,839.45 cw(c1132.19,807.19) 1155,830 cw(c1142.93,817.93) 1160,817.93 1160,464.14 cw(c1125.86,464.14) 1150,440 cw(c1099.97,490.03) 1099.97,419.28 980.03,419.28 cw(c980.03,490.03) 930,440 cw(c978.28,488.28) 910,488.28 910,781.72 cw(c978.28,781.72) 930,830 cw(c952.81,807.19) 952.81,839.45
  pour cut-out: 2053.78,932.95 1309.37,932.95 ccw(c1309.37,832.95) 1238.66,903.66 1230,895 ccw(c1266.21,858.79) 1215,858.79 1215,761.42 ccw(c1315,761.42) 1244.29,690.71 1250,685 ccw(c1274.14,709.14) 1274.14,675 2055,675
  pour cut-out: 795.66,1028.63 ccw(c802.57,1021.72) 792.8,1021.72 792.8,973.59 ccw(c868.59,973.59) 815,920 ccw(c827.07,932.07) 827.07,915 1034.77,915 ccw(c1034.77,1015) 1105.48,944.29 1124.59,963.4 1124.59,1056.84 ccw(c1091.84,1056.84) 1115,1080 ccw(c1090.86,1055.86) 1090.86,1090 839.58,1090 ccw(c839.58,1038.61) 803.24,1074.95 ccw(c821.54,1056.65) 795.66,1056.65
  pour cut-out: 11.22,1130 494.64,1130 cw(c494.64,1044.64) 555,1105 cw(c526.03,1076.03) 567,1076.03 567,993.42 cw(c467,993.42) 537.71,922.71 512.28,897.28 cw(c441.57,967.99) 441.57,867.99 11.22,867.99
Bottom Layer:
  rectangle net 3V3: 1065,1270 1410,1345
  rectangle net 5V: 1280,1145 1440,1235

## Silkscreen, mask and mechanical layers (free items; w line width, h text height)
Top Overlay:
  text "P/S" at 185,335 h100
  text "3V3" at 25,330.19 h100
  text "SI" at 350,330 h100
  text "CLK" at 455,330 h100
  text "LE" at 650,330 h100
  text "3V3" at 25,250 h100
  text "GND" at 180,250 h100
  text "GND" at 370,250 h100
  text "GND" at 560,250 h100
  text "3V3" at 760,250 h100

## Text inside footprints (layer, text, board x,y; h text height)
AD8310: Top Overlay "*" at 930.5,460.39 h100
LT3045: Top Overlay "*" at 1667.55,1532.5 h100 r270